# Allegro board gps_interface_boardv53ph.brd (continued)
## Routing (per net, layer and track width the routed paths; a pad name or vN(x,y) marks a point on that pad's centre or on a via; arc(x,y) is an arc through that point) (continued)
FMC.GPS_CLK_COPY_P: length 303
  TOP w0.203: v1(77.44,126.41) 77.67,126.64 arc(77.82,126.87) 77.88,127.13 77.88,127.72 arc(77.95,128.11) 78.17,128.44 79.2,129.47 arc(79.34,129.67) 79.38,129.9 79.38,130.3 79.34,130.35 U1.8
  TOP w0.33: v1(170.81,11.14) 170.81,11.53 arc(170.77,11.74) 170.65,11.92 170.61,11.97 arc(170.49,12.14) 170.45,12.36 170.45,13.37 arc(170.32,14) 169.96,14.53 169.49,15.01 arc(169.25,15.37) 169.16,15.8 169.16,17.27 arc(169.25,17.7) 169.49,18.06 171.09,19.67 arc(171.45,20.2) 171.58,20.83 171.58,23.77 arc(171.63,24.02) 171.77,24.24 v1(172.02,24.49)
  BOTTOM w0.33: J8.G6 v1(170.81,11.14) ; v1(77.44,126.41) 77.44,126.02 arc(77.48,125.81) 77.6,125.63 77.65,125.58 arc(77.77,125.4) 77.81,125.19 77.81,124.99 arc(77.71,124.74) 77.46,124.64 71.91,124.64 arc(71.28,124.51) 70.75,124.15 67.97,121.38 arc(67.61,120.84) 67.49,120.21 67.49,82.85 arc(67.61,82.22) 67.97,81.69 68.25,81.4 arc(68.49,81.04) 68.58,80.61 68.58,9.33 arc(68.71,8.7) 69.06,8.16 75.04,2.19 arc(75.57,1.83) 76.21,1.7 182.83,1.7 arc(184.68,2.07) 186.26,3.12 186.65,3.51 arc(187.26,4.43) 187.48,5.52 187.48,15.27 arc(186.35,18) 183.62,19.13 173.95,19.13 arc(173.52,19.21) 173.15,19.45 171.9,20.7 arc(171.66,21.07) 171.58,21.49 171.58,23.77 arc(171.63,24.02) 171.77,24.24 v1(172.02,24.49)
FMC.GPS_CLK_EN*: length 120.5
  TOP w0.203: v1(82.32,128.6) 82.32,129.71 R1.1 81.81,129.72 arc(81.48,129.86) 81.34,130.19 U1.12 ; U18.13 105.14,39.63 105.13,39.63 v1(105.13,39.83)
  BOTTOM w0.203: v1(105.13,39.83) 91.57,39.83 arc(90.38,40.32) 89.9,41.5 89.9,103.47 arc(89.97,103.86) 90.19,104.19 91.73,105.72 arc(91.95,106.05) 92.02,106.44 92.02,117.34 arc(91.95,117.73) 91.73,118.06 90.72,119.06 arc(90.5,119.39) 90.42,119.78 90.42,123.39 arc(90.13,124.11) 89.41,124.41 83.34,124.41 arc(82.62,124.71) 82.32,125.43 v1(82.32,128.6)
FMC.GPS_IRIGB: length 293.6
  TOP w0.17: U47.7 63.13,128.41 arc(63.07,128.08) 62.88,127.81 v1(61.93,126.85)
  SIG w0.203: v1(155.57,9.18) 155.57,9.35 arc(155.73,9.72) 156.11,9.88 156.73,9.88 arc(157.33,9.63) 157.58,9.03 157.58,8.71 arc(157.88,7.99) 158.6,7.7 164.36,7.7 arc(165.12,8.01) 165.43,8.76 165.43,9.69 arc(165.35,10.08) 165.13,10.41 164.86,10.68 arc(164.64,11) 164.57,11.39 164.57,11.96 arc(164.29,12.63) 163.62,12.9 154.1,12.9 arc(153.38,12.61) 153.09,11.89 153.09,10.63 arc(153.16,10.24) 153.38,9.91 153.47,9.82 arc(153.69,9.49) 153.77,9.1 153.77,8.95 arc(153.61,8.57) 153.23,8.41 137.46,8.41 arc(136.6,8.76) 136.25,9.63 136.25,12.81 arc(136.17,13.2) 135.95,13.53 135.78,13.7 arc(135.56,14.03) 135.48,14.42 135.48,21.01 arc(134.97,22.25) 133.73,22.76 123.7,22.76 arc(122.48,23.26) 121.97,24.49 121.97,25.63 arc(120.96,28.07) 118.52,29.08 95.91,29.08 arc(94.87,29.51) 94.44,30.56 94.44,69.4 arc(94.36,69.79) 94.14,70.12 91.89,72.37 arc(91.56,72.59) 91.17,72.67 53.05,72.67 arc(52.66,72.59) 52.33,72.37 51.71,71.75 arc(51.38,71.53) 50.99,71.45 34.39,71.45 arc(32.15,72.38) 31.22,74.63 31.22,104.45 arc(37.78,120.29) 53.62,126.85 v1(61.93,126.85)
  BOTTOM w0.33: J8.D18 v1(155.57,9.18)
FMC.GPS_PPS_N: length 267.1
  TOP w0.33: R14.1 14.36,126.5 R12.2 16.24,126.27 arc(16.38,126.06) 16.43,125.81 16.43,120.33 arc(16.56,119.69) 16.92,119.16 23.6,112.47 arc(24.14,112.11) 24.77,111.99 54.13,111.99 arc(54.56,111.9) 54.92,111.66 85.91,80.68 arc(86.15,80.31) 86.23,79.88 86.23,23.01 arc(86.36,22.38) 86.72,21.84 107.42,1.14 arc(107.95,0.79) 108.58,0.66 167.53,0.66 arc(168.16,0.79) 168.7,1.14 170,2.45 arc(170.36,2.98) 170.48,3.61 170.48,8.33 arc(170.57,8.76) 170.81,9.12 174.5,12.81 arc(174.85,13.34) 174.98,13.98 174.98,15.67 arc(174.7,16.35) 174.02,16.64 173.32,16.64 arc(172.71,16.38) 172.45,15.77 172.45,15.48 arc(172.41,15.27) 172.29,15.09 172.25,15.05 arc(172.13,14.87) 172.09,14.66 v1(172.09,14.26)
  BOTTOM w0.33: J8.H5 v1(172.09,14.26)
FMC.GPS_PPS_P: length 263.8
  TOP w0.33: R13.1 19.08,126.5 R11.2 17.15,126.27 arc(17.01,126.07) 16.97,125.83 16.97,120.33 arc(17.05,119.9) 17.29,119.54 23.98,112.85 arc(24.34,112.61) 24.77,112.52 54.13,112.52 arc(54.76,112.4) 55.3,112.04 86.28,81.05 arc(86.64,80.52) 86.77,79.88 86.77,23.01 arc(86.85,22.58) 87.09,22.22 107.79,1.52 arc(108.16,1.28) 108.58,1.19 167.53,1.19 arc(167.96,1.28) 168.32,1.52 169.62,2.82 arc(169.87,3.18) 169.95,3.61 169.95,8.33 arc(170.08,8.96) 170.44,9.5 174.12,13.19 arc(174.36,13.55) 174.45,13.98 174.45,15.67 arc(174.32,15.98) 174.02,16.1 173.32,16.1 arc(173.08,16.01) 172.99,15.77 172.99,15.48 arc(173.03,15.27) 173.15,15.09 173.19,15.05 arc(173.31,14.87) 173.35,14.66 v1(173.35,14.26)
  BOTTOM w0.33: J8.H4 v1(173.35,14.26)
FMC.GPS_SYNC_OUT_N: length 212
  TOP w0.33: R18.1 39.78,126.5 R16.2 41.72,126.27 arc(41.86,126.06) 41.91,125.81 41.91,122.28 arc(42.04,121.65) 42.39,121.11 48.85,114.66 arc(49.39,114.3) 50.02,114.17 55.37,114.17 arc(55.8,114.09) 56.16,113.85 87.68,82.33 arc(87.93,81.96) 88.01,81.54 88.01,30.22 arc(88.14,29.59) 88.49,29.06 104.17,13.38 arc(104.41,13.02) 104.5,12.59 104.5,9.22 arc(104.62,8.59) 104.98,8.05 109.45,3.58 arc(109.98,3.22) 110.62,3.1 153.47,3.1 arc(154.38,3.48) 154.76,4.39 154.76,9.3 arc(154.5,9.93) 153.87,10.19 153.34,10.19 arc(152.81,10.08) 152.36,9.78 v1(151.76,9.18)
  BOTTOM w0.33: 151.76,8.26 v1(151.76,9.18)
FMC.GPS_SYNC_OUT_P: length 208.2
  TOP w0.33: R17.1 44.56,126.5 44.38,126.5 R15.2 42.65,126.25 arc(42.5,126.02) 42.44,125.74 42.44,122.28 arc(42.53,121.85) 42.77,121.49 49.23,115.03 arc(49.59,114.79) 50.02,114.71 55.37,114.71 arc(56.01,114.58) 56.54,114.22 88.06,82.7 arc(88.42,82.17) 88.54,81.54 88.54,30.22 arc(88.63,29.8) 88.87,29.43 104.55,13.76 arc(104.9,13.22) 105.03,12.59 105.03,9.22 arc(105.11,8.79) 105.36,8.43 109.82,3.96 arc(110.19,3.72) 110.62,3.63 153.47,3.63 arc(154.01,3.86) 154.23,4.39 154.23,9.3 arc(154.12,9.55) 153.87,9.65 153.37,9.65 arc(153.13,9.56) 153.03,9.32 v1(153.03,9.18)
  BOTTOM w0.33: J8.D20 v1(153.03,9.18)
FMC.I2C_EXT_INT0*: length 121.7
  TOP w0.203: v1(221.82,10.08) 221.82,10.58 221.82,10.58 U53.1 ; v1(128.6,33.48) 116.94,33.48 arc(116.82,33.45) 116.71,33.38 116.69,33.36 arc(116.58,33.29) 116.46,33.26 115.28,33.26 arc(114.79,33.47) 114.58,33.96 U17.2
  SIG w0.203: v1(221.82,10.08) 218.03,13.88 arc(217.7,14.1) 217.31,14.17 201.84,14.17 arc(201.46,14.25) 201.13,14.47 195.19,20.4 arc(194.86,20.62) 194.47,20.7 173.02,20.7 arc(172.63,20.78) 172.3,21 160.12,33.18 arc(159.79,33.4) 159.4,33.48 v1(128.6,33.48)
  BOTTOM w0.203: v1(221.82,10.08) 221.46,9.72 arc(221.24,9.39) 221.16,9 R251.1
FMC.I2C_EXT_INT1*: length 105.9
  TOP w0.203: U17.3 113.93,33.4 arc(114.23,32.68) 114.95,32.38 v1(128.6,32.38) ; U52.1 v1(205.59,10.39)
  SIG w0.203: v1(205.59,10.39) 204.08,10.39 arc(203.7,10.47) 203.37,10.69 194.74,19.31 arc(194.41,19.53) 194.02,19.61 172.56,19.61 arc(172.17,19.69) 171.84,19.91 159.66,32.09 arc(159.33,32.31) 158.94,32.38 v1(128.6,32.38)
  BOTTOM w0.203: R252.1 205.82,8.99 arc(205.79,9.11) 205.72,9.22 205.69,9.25 arc(205.62,9.36) 205.59,9.49 v1(205.59,10.39)
FMC.I2C_EXT_RST*: length 140.5
  TOP w0.203: U18.11 106.44,33.42 arc(106.73,32.71) 107.45,32.41 112.53,32.41 arc(112.92,32.33) 113.25,32.11 113.8,31.57 arc(114.13,31.34) 114.52,31.27 v1(128.6,31.27) ; U52.3 206.92,13.12 207.01,13.03 207.4,13.03 arc(207.49,13.01) 207.55,12.97 v1(207.65,12.88) ; v1(220.2,13.27) 220.23,13.24 U53.3
  SIG w0.203: v1(207.65,12.88) 207.65,10.46 arc(207.35,9.75) 206.63,9.45 203.44,9.45 arc(203.05,9.53) 202.72,9.75 194.28,18.19 arc(193.95,18.41) 193.56,18.49 172.1,18.49 arc(171.71,18.57) 171.38,18.79 159.2,30.97 arc(158.87,31.19) 158.48,31.27 v1(128.6,31.27)
  BOTTOM w0.203: v1(207.65,12.88) 207.65,10.57 arc(207.63,10.47) 207.57,10.39 207.54,10.36 arc(207.49,10.28) 207.47,10.18 R246.1 208.37,8.42 208.44,8.34 R245.1 219.38,12.03 arc(219.46,12.41) 219.68,12.74 v1(220.2,13.27)
FMC.PG_1V8: length 411.5
  TOP w0.203: U102.6 95.02,90.68 arc(94.88,90.62) 94.82,90.47 v1(94.82,90.42)
  SIG w0.343: P2.4 285.97,53.78 arc(285.6,54.33) 285.47,54.99 285.47,56.72 arc(286.43,59.04) 288.75,59.99 298.68,59.99 arc(301.23,61.05) 302.29,63.6 302.29,121.87 arc(302.15,122.53) 301.78,123.08 295.93,128.94 arc(295.56,129.49) 295.43,130.15 295.43,148.21 arc(294.8,149.74) 293.27,150.37 113.06,150.37 arc(103.05,146.22) 98.91,136.22 98.91,128.85 arc(98.78,128.2) 98.41,127.64 92.58,121.81 arc(92.02,121.44) 91.36,121.31 78.69,121.31 arc(77.11,120.66) 76.45,119.08 76.45,99.82 arc(79.68,92.03) 87.48,88.8 93.29,88.8 arc(93.86,88.91) 94.34,89.23 94.59,89.49 arc(94.76,89.74) 94.82,90.03 v1(94.82,90.42)
  BOTTOM w0.203: R38.1 97.22,100.62 97.21,100.61 Q7.1 96.64,99.27 arc(96.27,99.12) 96.11,98.74 96.11,97.98 arc(96.04,97.59) 95.82,97.26 95.12,96.56 arc(94.9,96.23) 94.82,95.85 v1(94.82,90.42)
FMC.PWR_GOOD: length 189.1
  SIG w0.33: v1(179.25,6.17) 183.39,2.03 arc(183.92,1.68) 184.55,1.55 290.88,1.55 arc(294.04,2.86) 295.35,6.02 295.35,31.4 arc(295.48,32.03) 295.83,32.56 298.88,35.61 arc(299.24,36.15) 299.36,36.78 299.36,54.08 arc(298.13,57.05) 295.16,58.28 290.16,58.28 arc(289.52,58.15) 288.99,57.8 P2.3
  BOTTOM w0.33: 177.16,8.26 v1(179.25,6.17)
FMC.RECOV_ACLK_CLK_N: length 80.1
  TOP w0.203: 142.08,67.82 142.04,67.86 142.04,67.95 141.52,68.47 arc(141.37,68.57) 141.2,68.6 140.82,68.6 140.78,68.56 U104.25
  TOP w0.33: 142.08,67.82 142.21,67.7 arc(142.3,67.64) 142.4,67.61
  TOP w0.343: v1(99.77,86.48) 99.97,86.69 arc(100.14,86.8) 100.35,86.84 100.85,86.84 arc(101.25,86.76) 101.59,86.53 102.16,85.97 arc(102.53,85.72) 102.97,85.64 103.14,85.64 arc(103.3,85.6) 103.43,85.51 103.48,85.47 arc(103.62,85.38) 103.78,85.34 C2738.1 ; v1(146.69,66.13) 146.47,66.35 arc(146.29,66.48) 146.06,66.52 144.93,66.52 arc(144.54,66.6) 144.21,66.82 143.55,67.48 arc(143.4,67.58) 143.22,67.61 142.4,67.61
  BOTTOM w0.343: v1(146.69,66.13) 146.48,66.35 arc(146.3,66.47) 146.09,66.51 145.35,66.51 arc(144.79,66.28) 144.55,65.71 144.55,64.58 arc(144.42,63.93) 144.05,63.37 140.87,60.19 arc(140.31,59.82) 139.66,59.69 131,59.69 arc(130.35,59.82) 129.79,60.19 123.67,66.31 arc(123.3,66.56) 122.85,66.65 112.94,66.65 arc(112.29,66.78) 111.73,67.15 107.65,71.23 arc(107.28,71.79) 107.15,72.44 107.15,80.71 arc(107.06,81.15) 106.81,81.53 101.68,86.66 arc(101.49,86.79) 101.28,86.83 100.95,86.83 arc(100.75,86.79) 100.59,86.68 100.54,86.63 arc(100.37,86.52) 100.18,86.48 v1(99.77,86.48)
FMC.RECOV_ACLK_CLK_P: length 80.1
  TOP w0.203: U104.26 140.78,69.06 140.82,69.01 141.2,69.01 arc(141.53,68.95) 141.81,68.76 142.33,68.24 142.42,68.24 142.46,68.2
  TOP w0.33: 142.46,68.2 142.5,68.16 142.58,68.16
  TOP w0.343: v1(146.69,67.52) 146.44,67.27 arc(146.22,67.12) 145.96,67.07 144.93,67.07 arc(144.75,67.1) 144.6,67.21 143.94,67.86 arc(143.61,68.08) 143.22,68.16 142.58,68.16 ; v1(99.77,87.76) 99.98,87.55 arc(100.16,87.43) 100.37,87.39 100.85,87.39 arc(101.46,87.27) 101.98,86.92 102.54,86.36 arc(102.74,86.23) 102.97,86.18 103.12,86.18 arc(103.28,86.22) 103.43,86.31 103.47,86.36 arc(103.62,86.45) 103.78,86.49 C2737.1
  BOTTOM w0.343: v1(146.69,67.52) 146.44,67.26 arc(146.21,67.11) 145.93,67.06 145.35,67.06 arc(144.4,66.66) 144.01,65.71 144.01,64.58 arc(143.92,64.14) 143.66,63.76 140.48,60.58 arc(140.1,60.33) 139.66,60.24 131,60.24 arc(130.55,60.33) 130.18,60.58 124.06,66.69 arc(123.5,67.07) 122.85,67.2 112.94,67.2 arc(112.5,67.28) 112.12,67.54 108.04,71.62 arc(107.78,72) 107.7,72.44 107.7,80.71 arc(107.57,81.36) 107.19,81.92 102.06,87.05 arc(101.7,87.29) 101.28,87.38 101.01,87.38 arc(100.79,87.42) 100.61,87.54 100.56,87.59 arc(100.37,87.72) 100.15,87.76 v1(99.77,87.76)
FMC.RECOV_ACLK_DATA_N: length 181.6
  TOP w0.203: 143.26,70.04 143.21,70.04 143.14,70.1 140.82,70.1 140.78,70.06 U104.28
  TOP w0.33: v1(161.93,11.14) 161.9,11.11 161.9,8.73 arc(162.37,7.6) 163.49,7.14 167.34,7.14 arc(168.05,6.84) 168.35,6.12 168.35,4.78 arc(168.27,4.35) 168.02,3.99 166.82,2.79 arc(166.46,2.55) 166.03,2.46 109.43,2.46 arc(109,2.55) 108.64,2.79 103.02,8.41 arc(102.78,8.77) 102.69,9.2 102.69,10.41 arc(102.74,10.66) 102.89,10.88 v1(103.13,11.12) ; 143.26,70.04 149.4,70.04 arc(149.65,69.99) 149.87,69.84 v1(150.11,69.6)
  BOTTOM w0.33: J8.G13 v1(161.93,11.14) ; v1(150.11,69.6) 149.87,69.84 arc(149.65,69.99) 149.4,70.04 148.44,70.04 arc(148.2,69.94) 148.11,69.71 148.11,58.12 arc(147.98,57.49) 147.62,56.95 124.69,34.02 arc(124.44,33.65) 124.36,33.22 124.36,29.77 arc(124.23,29.14) 123.87,28.61 119.53,24.26 arc(118.99,23.9) 118.36,23.77 107.07,23.77 arc(106.64,23.69) 106.28,23.45 103.02,20.19 arc(102.78,19.83) 102.69,19.4 102.69,11.84 arc(102.74,11.58) 102.89,11.37 v1(103.13,11.12)
FMC.RECOV_ACLK_DATA_P: length 184.4
  TOP w0.203: 143.26,70.57 143.21,70.57 143.14,70.51 140.82,70.51 140.78,70.56 U104.29
  TOP w0.33: v1(101.72,11.12) 101.96,10.88 arc(102.11,10.66) 102.16,10.41 102.16,9.2 arc(102.28,8.57) 102.64,8.03 108.26,2.41 arc(108.8,2.06) 109.43,1.93 166.03,1.93 arc(166.67,2.06) 167.2,2.41 168.4,3.61 arc(168.76,4.15) 168.88,4.78 168.88,6.12 arc(168.43,7.22) 167.34,7.67 163.49,7.67 arc(162.74,7.98) 162.43,8.73 162.43,9.27 arc(162.53,9.74) 162.79,10.14 163.01,10.35 arc(163.15,10.56) 163.19,10.81 v1(163.19,11.14) ; v1(150.11,71.01) 149.87,70.77 arc(149.65,70.62) 149.4,70.57 143.26,70.57
  BOTTOM w0.33: v1(101.72,11.12) 101.96,11.37 arc(102.11,11.58) 102.16,11.84 102.16,19.4 arc(102.28,20.03) 102.64,20.57 105.9,23.82 arc(106.43,24.18) 107.07,24.31 118.36,24.31 arc(118.79,24.39) 119.15,24.64 123.5,28.98 arc(123.74,29.35) 123.83,29.77 123.83,33.22 arc(123.95,33.86) 124.31,34.39 147.25,57.33 arc(147.49,57.69) 147.57,58.12 147.57,69.71 arc(147.83,70.32) 148.44,70.57 149.4,70.57 arc(149.65,70.63) 149.87,70.77 v1(150.11,71.01) ; J8.G12 v1(163.19,11.14)
FMC.RECOV_DATA_N0: length 227.6
  TOP w0.33: TP56.1 281.95,96.59 arc(282.3,96.73) 282.44,97.07 282.44,107.97 282.22,108.19 282.22,110.51 282.08,110.64 J13.12
  BOTTOM w0.33: TP56.1 281.59,96.59 arc(282.15,96.36) 282.39,95.79 282.39,93.91 arc(282.7,93.15) 283.46,92.84 285.98,92.84 arc(286.41,92.75) 286.77,92.51 292.56,86.72 arc(292.8,86.36) 292.89,85.93 292.89,74.5 arc(292.8,74.08) 292.56,73.71 287.55,68.7 arc(287.19,68.46) 286.76,68.38 259.64,68.38 arc(259.01,68.25) 258.48,67.89 251.16,60.58 arc(250.8,60.33) 250.37,60.25 177.66,60.25 arc(177.03,60.12) 176.5,59.77 146.27,29.54 arc(145.91,29) 145.78,28.37 145.78,13.93 arc(145.74,13.72) 145.62,13.54 J8.H26
FMC.RECOV_DATA_N1: length 186.6
  TOP w0.33: TP57.1 260.15,97.51 arc(260.45,97.96) 260.55,98.49 260.55,107.73 260.14,108.14 260.14,110.46 260.01,110.59 J14.12
  BOTTOM w0.33: 141.6,13.34 141.81,13.54 arc(141.93,13.72) 141.97,13.93 141.97,27.61 arc(142.1,28.24) 142.46,28.78 175.71,62.03 arc(176.24,62.38) 176.87,62.51 184.88,62.51 arc(185.31,62.59) 185.67,62.84 197.74,74.91 arc(197.98,75.27) 198.07,75.7 198.07,83.69 arc(198.19,84.33) 198.55,84.86 203.63,89.94 arc(204.17,90.3) 204.8,90.42 258.19,90.42 arc(258.62,90.51) 258.98,90.75 260.29,92.06 arc(260.53,92.42) 260.62,92.85 260.62,95.69 arc(260.35,96.33) 259.71,96.6 TP57.1
FMC.RECOV_DATA_N2: length 167.7
  TOP w0.33: 237.84,104.13 237.84,104.21 237.84,104.22 237.84,110.46 237.71,110.59 J18.12
  TOP w0.343: TP58.1 237.47,96.6 arc(237.73,96.7) 237.84,96.96 237.84,104.13
  BOTTOM w0.33: TP58.1 237.47,96.6 arc(237.71,96.5) 237.81,96.25 237.81,93.69 arc(237.69,93.06) 237.33,92.53 236.75,91.95 203.83,91.95 arc(203.2,91.82) 202.67,91.46 196.85,85.65 arc(196.49,85.11) 196.37,84.48 196.37,76.28 arc(196.28,75.85) 196.04,75.49 186.38,65.83 arc(186.02,65.59) 185.59,65.51 176.69,65.51 arc(176.06,65.38) 175.52,65.02 138.65,28.15 arc(138.29,27.61) 138.16,26.98 138.16,13.93 arc(138.12,13.72) 138,13.54 J8.H32
FMC.RECOV_DATA_N3: length 143.8
  TOP w0.33: TP59.1 207.37,96.55 arc(207.96,96.79) 208.2,97.38 208.2,106.11 208.61,106.52 208.61,110.46 208.47,110.59 J19.12
  BOTTOM w0.33: J8.H35 134.19,13.54 arc(134.31,13.72) 134.35,13.93 134.35,26.4 arc(134.48,27.03) 134.84,27.57 175.09,67.82 arc(175.62,68.17) 176.26,68.3 185.57,68.3 arc(186,68.39) 186.36,68.63 193.78,76.04 arc(194.02,76.41) 194.11,76.83 194.11,90.68 arc(194.23,91.31) 194.59,91.85 196.29,93.55 arc(196.83,93.91) 197.46,94.03 207.32,94.03 arc(208,94.31) 208.28,94.99 208.28,95.76 arc(208.05,96.31) 207.49,96.55 TP59.1
FMC.RECOV_DATA_N4: length 123.4
  TOP w0.33: J20.12 186.17,110.59 186.31,110.46 186.31,100.63 arc(186.22,100.2) 185.98,99.84 183.24,97.1 arc(182.97,96.7) 182.88,96.22 182.88,95.65 arc(182.69,95.2) 182.24,95.02 TP60.1
  BOTTOM w0.33: J8.H38 130.38,13.54 arc(130.5,13.72) 130.54,13.93 130.54,25.46 arc(130.67,26.09) 131.03,26.63 175.72,71.32 arc(175.96,71.68) 176.05,72.11 176.05,85.82 arc(176.17,86.45) 176.53,86.99 182.6,93.06 arc(182.77,93.31) 182.83,93.6 182.83,94.03 arc(182.54,94.73) 181.84,95.02 TP60.1
FMC.RECOV_DATA_N5: length 119.5
  TOP w0.305: 158.26,90.73 162.44,90.73 arc(162.83,90.81) 163.16,91.03 163.86,91.73 arc(164.08,92.06) 164.16,92.45 164.16,93.04 arc(164.04,93.62) 163.71,94.12 TP61.1
  TOP w0.33: v1(131.44,11.14) 131.44,11.53 arc(131.49,11.74) 131.61,11.92 131.65,11.97 arc(131.77,12.14) 131.81,12.36 131.81,12.97 arc(131.74,13.35) 131.52,13.67 131.26,13.94 arc(130.93,14.43) 130.81,15.02 130.81,24.41 arc(130.93,24.99) 131.26,25.48 153.71,47.94 arc(153.92,48.26) 154,48.64 154,85.85 arc(154.12,86.43) 154.45,86.93 158.26,90.73 ; J21.12 164.05,110.59 164.16,110.48 164.16,97 arc(164.03,96.37) 163.68,95.84 TP61.1
  BOTTOM w0.33: J8.G37 v1(131.44,11.14)
FMC.RECOV_DATA_P0: length 227.9
  TOP w0.33: TP50.1 283.45,96.58 arc(283.11,96.72) 282.97,97.06 282.97,108.19 282.75,108.41 282.75,110.51 282.88,110.64 J13.13
  BOTTOM w0.33: J8.H25 146.48,13.54 arc(146.36,13.72) 146.32,13.93 146.32,28.37 arc(146.4,28.8) 146.64,29.16 176.87,59.39 arc(177.24,59.63) 177.66,59.72 250.37,59.72 arc(251,59.84) 251.54,60.2 258.85,67.52 arc(259.22,67.76) 259.64,67.84 286.76,67.84 arc(287.39,67.97) 287.93,68.33 292.94,73.34 arc(293.3,73.87) 293.42,74.5 293.42,85.93 arc(293.3,86.56) 292.94,87.1 287.15,92.89 arc(286.61,93.24) 285.98,93.37 283.46,93.37 arc(283.08,93.53) 282.92,93.91 282.92,95.72 arc(283.17,96.33) 283.78,96.58 TP50.1
FMC.RECOV_DATA_P1: length 186.4
  TOP w0.33: J14.13 260.81,110.59 260.68,110.46 260.68,108.36 261.09,107.95 261.09,98.49 arc(261.19,97.96) 261.49,97.51 TP51.1
  BOTTOM w0.33: J8.H28 142.67,13.54 arc(142.55,13.72) 142.51,13.93 142.51,27.61 arc(142.59,28.04) 142.83,28.4 176.08,61.65 arc(176.45,61.89) 176.87,61.98 184.88,61.98 arc(185.51,62.1) 186.05,62.46 198.12,74.53 arc(198.48,75.07) 198.6,75.7 198.6,83.69 arc(198.69,84.12) 198.93,84.49 204.01,89.56 arc(204.37,89.81) 204.8,89.89 258.19,89.89 arc(258.82,90.02) 259.36,90.37 260.67,91.68 arc(261.02,92.22) 261.15,92.85 261.15,95.69 arc(261.41,96.33) 262.05,96.6 TP51.1
FMC.RECOV_DATA_P2: length 167.6
  TOP w0.33: J18.13 238.51,110.59 238.38,110.46 238.38,104.22 238.38,104.21 238.38,104.13
  TOP w0.343: 238.38,104.13 238.38,97.11 arc(238.42,96.93) 238.52,96.78 238.57,96.73 arc(238.72,96.63) 238.9,96.6 TP52.1
  BOTTOM w0.33: J8.H31 138.86,13.54 arc(138.74,13.72) 138.7,13.93 138.7,26.98 arc(138.78,27.41) 139.02,27.77 175.9,64.65 arc(176.26,64.89) 176.69,64.97 185.59,64.97 arc(186.22,65.1) 186.76,65.46 196.42,75.11 arc(196.78,75.65) 196.9,76.28 196.9,84.48 arc(196.99,84.91) 197.23,85.27 203.04,91.09 arc(203.41,91.33) 203.83,91.41 236.97,91.41 237,91.44 237.06,91.44 237.88,92.26 arc(238.23,92.79) 238.36,93.43 238.36,96.25 arc(238.46,96.5) 238.7,96.6 TP52.1
FMC.RECOV_DATA_P3: length 143.7
  TOP w0.33: TP53.1 209.6,96.55 arc(208.99,96.8) 208.74,97.41 208.74,105.89 209.14,106.3 209.14,110.46 209.27,110.59 J19.13
  BOTTOM w0.33: J8.H34 135.05,13.54 arc(134.93,13.72) 134.89,13.93 134.89,26.4 arc(134.97,26.83) 135.21,27.19 175.47,67.44 arc(175.83,67.68) 176.26,67.77 185.57,67.77 arc(186.21,67.89) 186.74,68.25 194.16,75.67 arc(194.51,76.2) 194.64,76.83 194.64,90.68 arc(194.73,91.11) 194.97,91.47 196.67,93.17 arc(197.03,93.41) 197.46,93.5 207.32,93.5 arc(208.38,93.93) 208.81,94.99 208.81,95.81 arc(209.03,96.33) 209.55,96.55 TP53.1
FMC.RECOV_DATA_P4: length 123.9
  TOP w0.33: TP54.1 184.06,95 arc(183.6,95.2) 183.41,95.66 183.41,96.22 arc(183.46,96.49) 183.62,96.73 186.36,99.46 arc(186.71,100) 186.84,100.63 186.84,110.46 186.97,110.59 J20.13
  BOTTOM w0.33: J8.H37 131.24,13.54 arc(131.12,13.72) 131.08,13.93 131.08,25.46 arc(131.16,25.89) 131.4,26.25 176.1,70.94 arc(176.46,71.48) 176.58,72.11 176.58,85.82 arc(176.67,86.25) 176.91,86.61 182.98,92.68 arc(183.26,93.11) 183.36,93.6 183.36,94.01 arc(183.65,94.71) 184.35,95 TP54.1
FMC.RECOV_DATA_P5: length 119.5
  TOP w0.305: TP55.1 165.11,94.1 arc(164.78,93.6) 164.67,93.02 164.67,92.45 arc(164.55,91.87) 164.22,91.37 163.52,90.67 arc(163.03,90.34) 162.44,90.23 158.5,90.23 158.49,90.21
  TOP w0.33: J21.13 164.85,110.59 164.69,110.44 164.69,97 arc(164.82,96.37) 165.18,95.83 TP55.1 ; v1(132.72,11.14) 132.72,11.53 arc(132.67,11.74) 132.55,11.92 132.51,11.97 arc(132.39,12.14) 132.35,12.36 132.35,12.97 arc(132.23,13.55) 131.9,14.05 131.63,14.31 arc(131.42,14.64) 131.34,15.02 131.34,24.41 arc(131.42,24.78) 131.63,25.11 154.09,47.56 arc(154.42,48.05) 154.53,48.64 154.53,85.85 arc(154.61,86.23) 154.82,86.55 158.49,90.21
  BOTTOM w0.33: J8.G36 v1(132.72,11.14)
FMC.SCL0: length 455.1
  TOP w0.203: U10.6 65.74,81.55 arc(66.01,81.61) 66.24,81.76 66.36,81.87 arc(66.68,82.09) 67.07,82.17 v1(69.98,82.17) ; v1(202.56,32.28) 202.78,32.07 arc(202.91,31.87) 202.96,31.64 202.96,14.29 arc(202.61,13.46) 201.78,13.12 U52.22 197.57,13.12 arc(196.83,12.81) 196.52,12.06 196.52,8.64 arc(197.12,7.18) 198.58,6.58 217.02,6.58 arc(218.53,7.2) 219.15,8.71 219.15,11.91 arc(218.76,12.86) 217.81,13.26 215.94,13.26 U53.22 ; U46.2 16.18,89.15 arc(16.67,89.35) 16.87,89.84 16.87,92.51 arc(17.16,93.23) 17.88,93.52 v1(30.25,93.52) ; v1(70,116.76) TP45.1 79.89,115.31 arc(80.22,115.09) 80.61,115.01 82.99,115.01 arc(83.38,114.93) 83.71,114.71 86.84,111.58 arc(87.17,111.36) 87.56,111.29 U19.5 ; U8.6 v1(30.25,60.68) ; U13.6 v1(70.69,55.45) ; U48.16 110.26,75.19 arc(110.18,74.81) 109.96,74.48 v1(108.81,73.33)
  SIG w0.203: 108.81,63.7 v1(108.81,73.33) ; 108.81,63.7 108.81,51.07 arc(108.89,50.68) 109.11,50.35 113.39,46.07 arc(113.72,45.85) 114.11,45.77 181.14,45.77 arc(181.53,45.69) 181.86,45.47 184.23,43.1 arc(184.45,42.77) 184.53,42.38 184.53,33.93 arc(185.54,31.51) 187.96,30.51 200.37,30.51 arc(200.76,30.58) 201.08,30.8 v1(202.56,32.28) ; 108.81,63.7 107.97,62.86 arc(107.64,62.64) 107.25,62.56 102.33,62.56 arc(101.94,62.64) 101.61,62.86 98.93,65.54 arc(98.71,65.87) 98.63,66.26 98.63,70.89 arc(98.23,71.84) 97.28,72.24 95.21,72.24 arc(94.82,72.31) 94.5,72.54 92.19,74.84 arc(91.87,75.06) 91.48,75.13 77.43,75.13 arc(77.04,75.21) 76.72,75.43 v1(69.98,82.17) ; v1(30.25,93.52) v1(30.25,60.68) 35.02,55.91 arc(35.35,55.69) 35.74,55.61 48.56,55.61 arc(48.95,55.53) 49.28,55.31 51.29,53.31 arc(51.62,53.09) 52.01,53.01 69.55,53.01 arc(70.35,53.34) 70.69,54.15 v1(70.69,55.45)
  BOTTOM w0.203: v1(70,116.76) 70,116.27 69.98,116.24 v1(69.98,82.17) 69.98,57.75 arc(70.05,57.36) 70.27,57.03 70.39,56.91 arc(70.61,56.58) 70.69,56.2 v1(70.69,55.45) ; TP45.1 78.44,118.21 arc(78.39,118.42) 78.27,118.6 78.24,118.63 arc(78.12,118.81) 78.08,119.03 R90.2
FMC.SCL1: length 294.3
  TOP w0.203: J13.5 284.88,119.1 284.89,119.1 v1(284.89,118.85) ; U19.7 86.42,109.99 arc(86.03,110.06) 85.7,110.28 84.8,111.18 arc(84.47,111.4) 84.08,111.48 80.63,111.48 arc(80.25,111.56) 79.92,111.78 TP43.1
  SIG w0.33: v1(284.89,118.85) 286.41,120.37 arc(286.64,120.52) 286.9,120.57 286.96,120.57 arc(287.23,120.63) 287.45,120.77 289.3,122.63 arc(289.66,123.17) 289.79,123.8 289.79,131.08 arc(288.19,134.93) 284.34,136.53 275.35,136.53 arc(274.71,136.4) 274.18,136.04 272.33,134.19 arc(271.79,133.83) 271.16,133.71 269.43,133.71 arc(268.8,133.83) 268.26,134.19 264.3,138.15 arc(263.77,138.51) 263.13,138.63 252.77,138.63 arc(252.14,138.76) 251.6,139.12 250.13,140.59 arc(249.59,140.95) 248.96,141.07 244.94,141.07 arc(244.31,140.95) 243.77,140.59 243.04,139.85 arc(242.5,139.5) 241.87,139.37 227.68,139.37 arc(227.05,139.5) 226.52,139.85 222.2,144.17 arc(221.66,144.53) 221.03,144.65 215.9,144.65 arc(215.27,144.53) 214.73,144.17 210.95,140.39 arc(210.41,140.03) 209.78,139.9 204.14,139.9 arc(203.51,140.03) 202.97,140.39 199.49,143.86 arc(198.96,144.22) 198.32,144.35 190.57,144.35 arc(189.94,144.22) 189.41,143.86 185.93,140.39 arc(185.39,140.03) 184.76,139.9 181.84,139.9 arc(181.2,140.03) 180.67,140.39 177.14,143.92 arc(176.6,144.27) 175.97,144.4 170.25,144.4 arc(169.62,144.27) 169.09,143.92 165.36,140.18 arc(164.82,139.83) 164.19,139.7 154.81,139.7 arc(154.18,139.57) 153.64,139.22 150.34,135.92 arc(149.81,135.56) 149.18,135.43 143.1,135.43 arc(142.47,135.56) 141.93,135.92 138.61,139.24 arc(138.07,139.6) 137.44,139.73 107.04,139.73 arc(102.17,137.71) 100.15,132.84 100.15,117.09 arc(99.67,115.93) 98.5,115.44 81.61,115.44 arc(80.98,115.32) 80.44,114.96 78.71,113.23 TP43.1
  BOTTOM w0.203: TP43.1 77.48,113.23 arc(76.81,113.51) 76.53,114.18 R88.2
